# Altium PCB PCB1.PcbDoc (part 1 of 2)
Units mm, origin at the board's own origin, x right, y up, seen from the top; angles counter-clockwise.
Board outline 100.25 x 60.33 mm, 2 copper layers (Top Layer, Bottom Layer); 73 components, 128 nets, 417 pads, 41 vias.
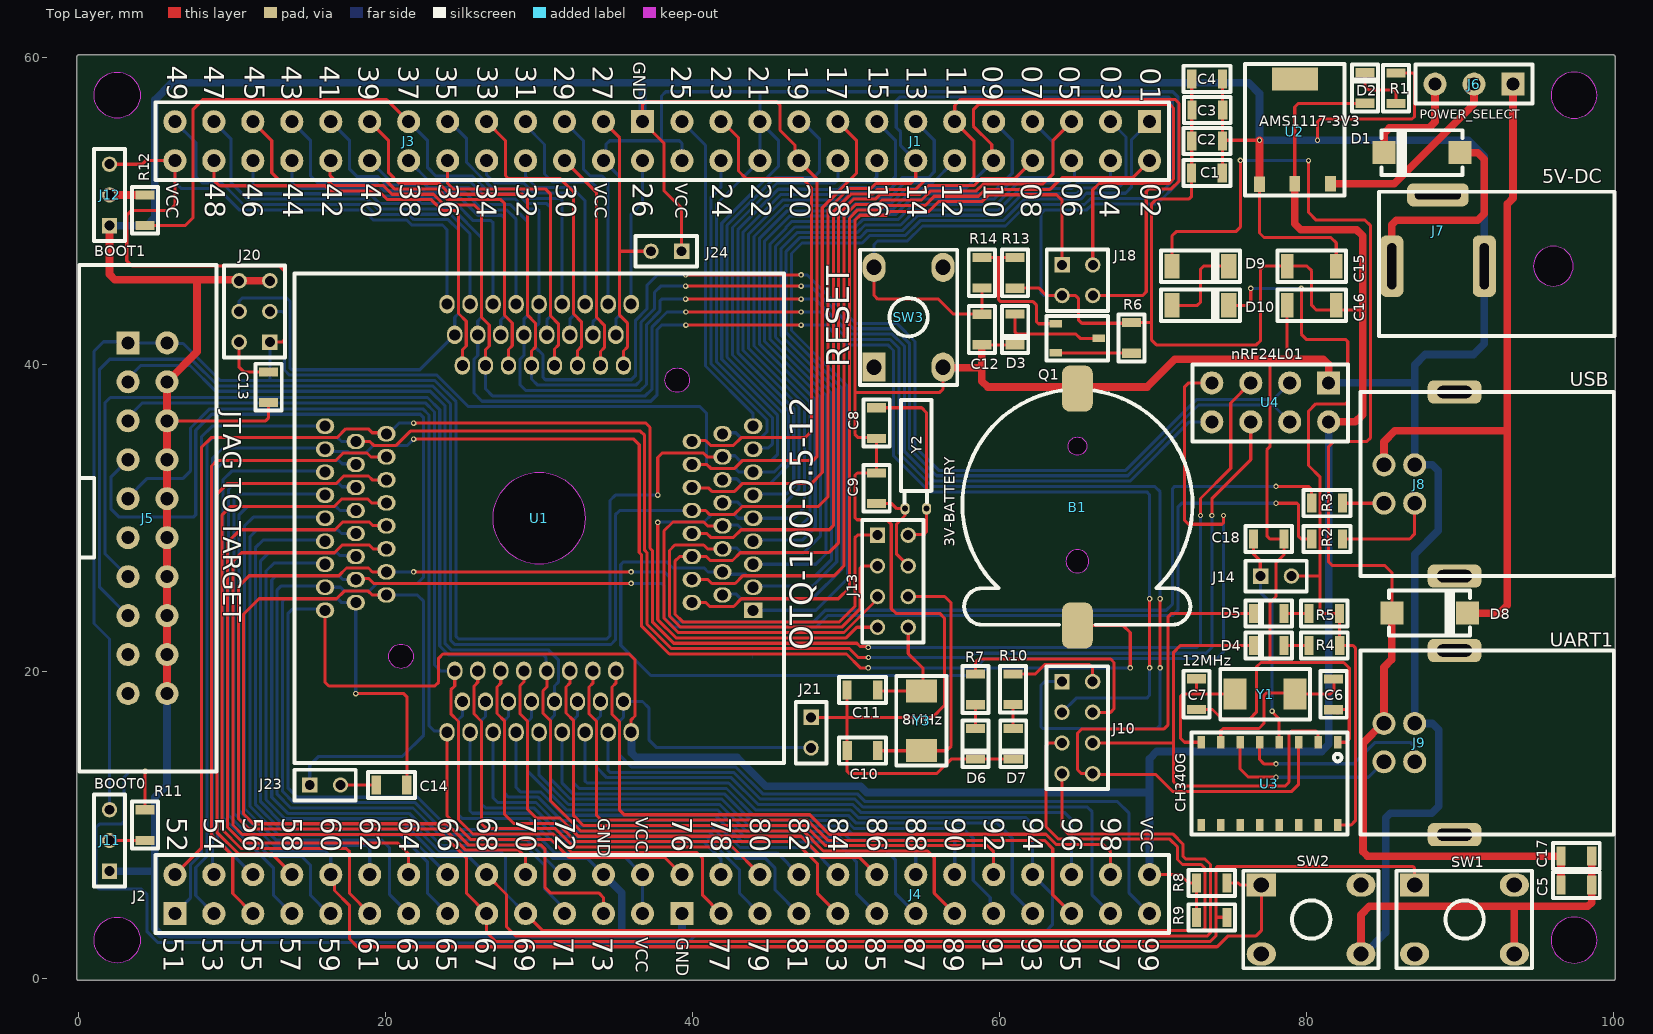
[diagram p0: Top Layer view]
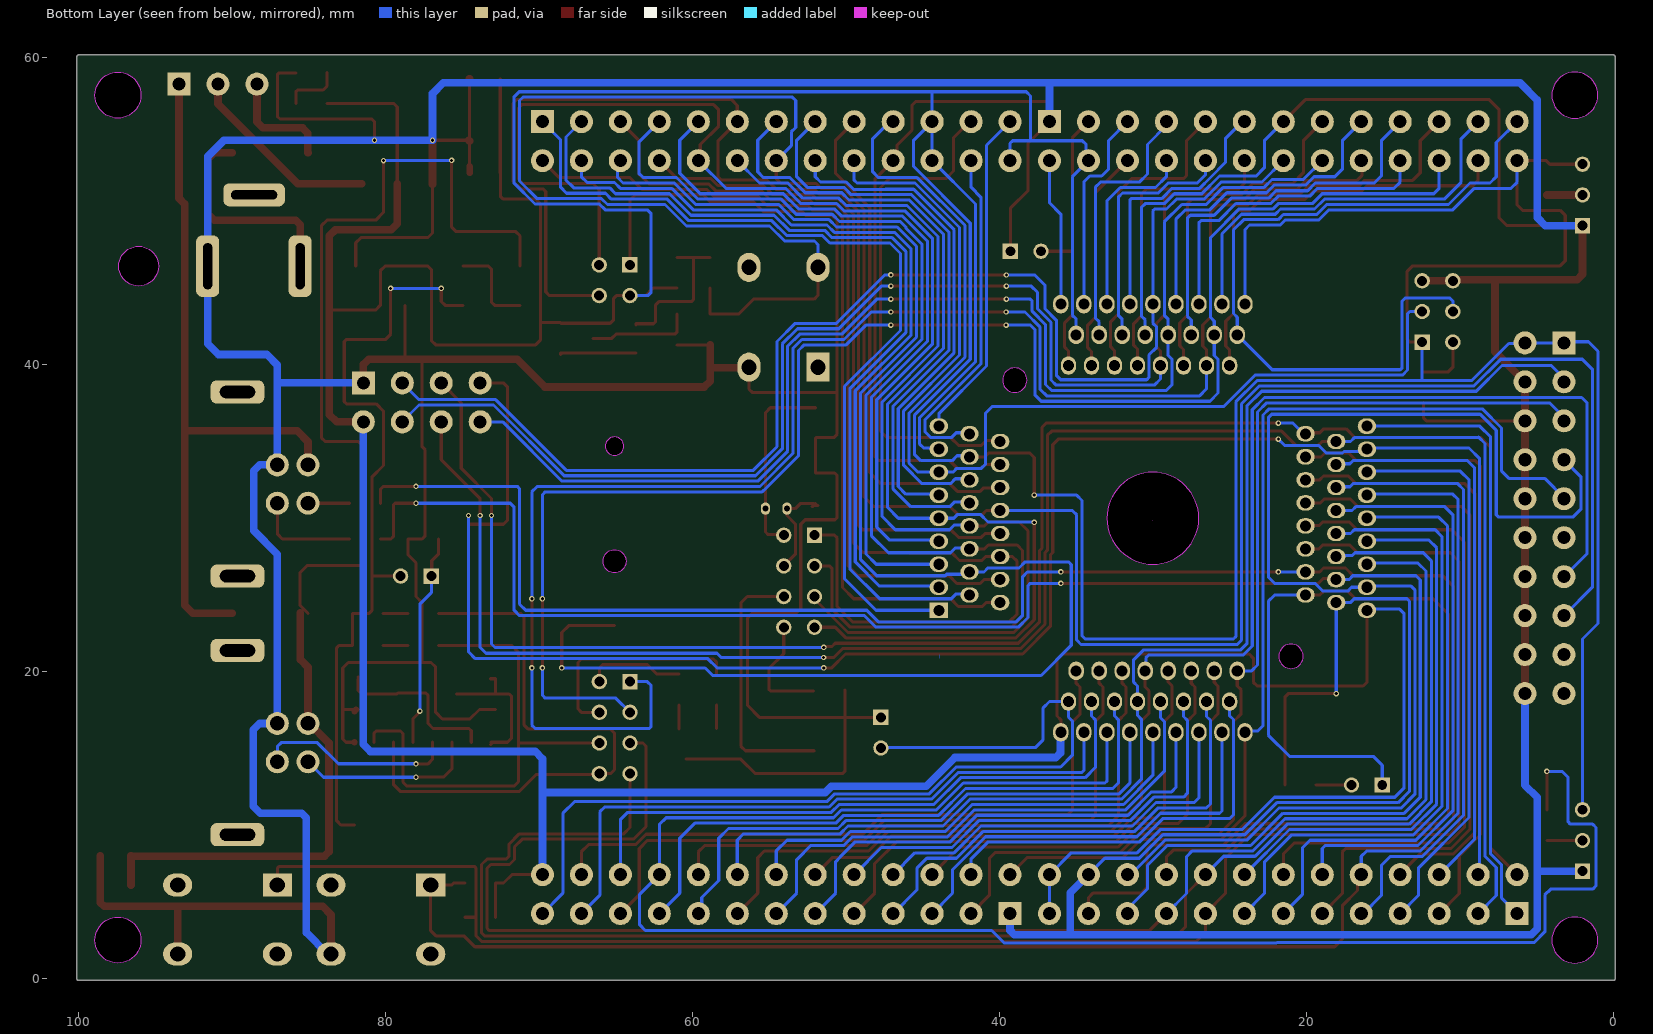
[diagram p1: Bottom Layer view, seen from below]

## Layer stack, top to bottom
Top Solder: solder mask 0.0102, Solder Resist, Dk 3.5
Top Layer: signal copper 0.0356
Dielectric 1: dielectric 0.32, FR-4, Dk 4.8
Bottom Layer: signal copper 0.0356
Bottom Solder: solder mask 0.0102, Solder Resist, Dk 3.5

## Board outline
0,-0.127 cw(c0,0) -0.127,0 -0.127,60 cw(c0,60) -0.122,60.036 -0.122,60.035 cw(c0,60.071) 0,60.198 100,60.198 cw(c100,60.071) 100.127,60.071 100.127,0.071 cw(c100,0.071) 100.122,0.036 100.122,0.035 cw(c100,0) 100.127,0 cw(c100,0) 100,-0.127
cut-out: 95.949,57.571 ccw(c97.449,57.571) 97.449,56.071 ccw(c97.449,57.571) 98.949,57.571 ccw(c97.449,57.571) 97.449,59.071 ccw(c97.449,57.571)
cut-out: 2.5,56.071 cw(c2.5,57.571) 1,57.571 cw(c2.5,57.571) 2.5,59.071 cw(c2.5,57.571) 4,57.571 cw(c2.5,57.571)
cut-out: 2.5,1 cw(c2.5,2.5) 1,2.5 cw(c2.5,2.5) 2.5,4 cw(c2.5,2.5) 4,2.5 cw(c2.5,2.5)
cut-out: 95.949,2.5 ccw(c97.449,2.5) 97.449,1 ccw(c97.449,2.5) 98.949,2.5 ccw(c97.449,2.5) 97.449,4 ccw(c97.449,2.5)
cut-out: 65.583,27.784
cut-out: 2.207,59.042

## Design rules (kind name [scope] priority, off if disabled: settings)
Clearance [All] p1: gap=0.15 ignorepadtopadclearanceinfootprint=FALSE
PolygonConnect [All] p1: connectstyle=Relief reliefconductorwidth=0.254 reliefentries=4 polygonreliefangle="90 Angle" airgapwidth=0.254
RoutingVias [All] p1: holewidth=0.2 width=0.35 viastyle="Through Hole" minholewidth=0.2 minwidth=0.35 maxholewidth=0.2 maxwidth=0.35
SolderMaskExpansion [All] p1: expansion=0.102
Width [All] p1: maxlimit=0.5 minlimit=0.2 preferedwidth=0.2
30 further rules are at their usual default settings.

## Components (designator, comment, footprint, x,y, rotation, side; value= is the part's Value field where it differs from the comment)
B1 "3V-BATTERY" CR1220 65.084,30.896 r0 top
C1 "103" C0805 73.525,52.5 r180 top
C2 "103" C0805 73.533,54.576 r180 top
C3 "103" C0805 73.549,56.608 r180 top
C4 "103" C0805 73.533,58.64 r180 top
C5 "103" C0805 97.597,6.1 r0 top
C6 "22pF" C0805 81.788,18.52 r90 top
C7 "22pF" C0805 72.84,18.536 r90 top
C8 "22pF" C0805 52,36.2 r270 top
C9 "22pF" C0805 52,31.95 r90 top
C10 "22pF" C0805 51.075,14.85 r180 top
C11 "22pF" C0805 51.075,18.8 r180 top
C12 "103" C0805 58.85,42.3 r270 top
C13 "102pF" C0805 12.376,38.539 r270 top
C14 "102pF" C0805 20.379,12.609 r180 top
C15 "104" C1206 80.35,46.425 r180 top
C16 "104" C1206 80.35,43.875 r180 top
C17 "103" C0805 97.597,7.992 r0 top
C18 "100nF" C0805 77.55,28.65 r180 top
D1 "1N4007" DO-214AC(SMA) 85.575,53.825 r0 top
D2 "LED0805" L0805RED 84.455,58.039 r90 top
D3 "LED0805" L0805RED 60.401,42.301 r270 top
D4 "LED0805" L0805RED 77.55,22.325 r180 top
D5 "LED0805" L0805RED 77.55,24.425 r180 top
D6 "LED0805" L0805RED 57.81,15.3 r270 top
D7 "LED0805" L0805RED 60.275,15.3 r270 top
D8 "1N4007" DO-214AC(SMA) 90.005,23.825 r180 top
D9 "1N4148" SOD-80 73.1,46.425 r0 top
D10 "1N4148" SOD-80 73.1,43.875 r0 top
J1 "Header 13x2 TH Pitch 2.54mm" "Header 13x2 TH Pitch 2.54mm" 54.546,54.571 r270 top
J2 "Header 13x2 TH Pitch 2.54mm" "Header 13x2 TH Pitch 2.54mm" 21.5,5.5 r90 top
J3 "Header 13x2 TH Pitch 2.54mm" "Header 13x2 TH Pitch 2.54mm" 21.5,54.571 r270 top
J4 "Header 13x2 TH Pitch 2.54mm" "Header 13x2 TH Pitch 2.54mm" 54.546,5.5 r90 top
J5 "JTAG TO TARGET" IDC_CONNECTOR_20_2.54 4.48,30 r0 top
J6 "POWER_SELECT" "Header 3x1 TH Pitch 2.54mm" 90.932,58.293 r180 top
J7 "5V-DC" DC_JACK_161-0721 91.6,46.425 r90 top
J8 "USB" USB-B-TYPE 86.062,32.227 r180 top
J9 "UART1" USB-B-TYPE 86.062,15.375 r180 top
J10 "PIN_HEADER_4X2_PITCH_2MM_HEIGTH_5MM" PIN_HEADER_4X2_PITCH_2MM_HEIGTH_5MM 65.075,16.35 r0 top
J11 "BOOT0" PIN_HEADER_1X3_PITCH_2MM_HEIGTH_5MM 2,9 r90 top
J12 "BOOT1" PIN_HEADER_1X3_PITCH_2MM_HEIGTH_5MM 2,51.071 r90 top
J13 "PIN_HEADER_4X2_PITCH_2MM_HEIGTH_5MM" PIN_HEADER_4X2_PITCH_2MM_HEIGTH_5MM 53.056,25.892 r0 top
J14 "3V3-TTL/5V-TTL" PIN_HEADER_2X1_PITCH_2MM_HEIGTH_5MM 78.026,26.227 r0 top
J18 "PIN_HEADER_2X2_PITCH_2MM_HEIGTH_5MM" PIN_HEADER_2X2_PITCH_2MM_HEIGTH_5MM 65.084,46.509 r0 top
J20 "PIN_HEADER_3X2_PITCH_2MM_HEIGTH_5MM" PIN_HEADER_3X2_PITCH_2MM_HEIGTH_5MM 11.45,43.475 r180 top
J21 "PIN_HEADER_1X2_PITCH_2MM_HEIGTH_5MM" PIN_HEADER_1X2_PITCH_2MM_HEIGTH_5MM 47.725,16.024 r270 top
J23 "PIN_HEADER_1X2_PITCH_2MM_HEIGTH_5MM" PIN_HEADER_1X2_PITCH_2MM_HEIGTH_5MM 16.05,12.609 r0 top
J24 "PIN_HEADER_1X2_PITCH_2MM_HEIGTH_5MM" PIN_HEADER_1X2_PITCH_2MM_HEIGTH_5MM 38.291,47.4 r180 top
Q1 "2N3906" SOT23-3 65.075,41.725 r270 top
R1 "120" R0805 85.852,59.023 r90 top
R2 "22" R0805 80.35,28.65 r180 top
R3 "22" R0805 80.35,30.977 r180 top
R4 "1K5" R0805 80.175,21.7 r180 top
R5 "1K5" R0805 80.169,23.8 r180 top
R6 "120" R0805 68.6,40.75 r270 top
R7 "120" R0805 58.446,19.841 r90 top
R8 "10k" R0805 72.84,6.223 r180 top
R9 "10k" R0805 72.84,3.992 r180 top
R10 "120" R0805 60.875,19.85 r90 top
R11 "1k" R0805 4.318,9 r270 top
R12 "1k" R0805 4.318,51.071 r90 top
R13 "8K2" R0805 61.015,46.99 r90 top
R14 "1K" R0805 58.85,47 r90 top
SW1 "Button Hole" BUTTON_HOLE_5.0mm 90.312,3.846 r90 top
SW2 "Button Hole" BUTTON_HOLE_5.0mm 80.316,3.846 r90 top
SW3 "RESET" BUTTON_HOLE_5.0mm 54.075,43.1 r180 top
U1 "OTQ-100-0.5-12" "ENPLAS OTQ-100-0.5-12" 30,30 r0 top
U2 "AMS1117-3V3" SOT223-3 79.248,55.245 r0 top
U3 "CH340G" SOP16_1.27_3.8 77.595,12.7 r270 top
U4 "nRF24L01" "Header 4x2 TH Pitch 2.54mm" 77.65,37.55 r270 top
Y1 "12MHz" SMD5032 79.267,18.542 r0 top
Y2 "32.768KHz" DT-26 54.55,30.475 r270 top
Y3 "8MHz" SMD5032 54.926,14.846 r270 top

## Footprints (in the part's own frame and the unit in brackets; to place one, negate y for a bottom-side part, rotate by r counter-clockwise, add the part's x,y. Pads: shape width x height; smd on the part's side, far side on the other; paste and mask are expansions set on the pad)
BUTTON_HOLE_5.0mm [mm]
  rect 1.5x1.9 hole 1: 1(2.25,3.25)
  oval 1.5x1.9 hole 1: 2(2.25,-3.25) 3(-2.25,3.25) 4(-2.25,-3.25)
  silkscreen extent -3.18,-4.4 3.18,4.43, body extent -3,-3.86 3,3.86, height 5
C0805 [mm]
  rect 0.6x1.24 smd: 1(-1,0) 2(1,0)
  silkscreen extent -1.52,-0.85 1.53,0.85, body extent -1,-0.6 1,0.6, height 1
C1206 [mm]
  rect 0.8x1.6 smd: 1(-1.6,0) 2(1.6,0)
  silkscreen extent -2.23,-1.02 2.22,1.02, body extent -1.6,-0.8 1.6,0.8, height 0.75
CR1220 [mm]
  rrect50% 2x3 smd: 1(0,-7.9) 2(0,7.55)
  Keep-Out Layer board cut-out: -0.75,-3.7 -0.693,-3.987 -0.53,-4.23 -0.287,-4.393 0,-4.45 0,-4.45 0.287,-4.393 0.53,-4.23 0.693,-3.987 0.75,-3.7 0.75,-3.7 0.693,-3.413 0.53,-3.17 0.287,-3.007 0,-2.95 0,-2.95 -0.287,-3.007 -0.53,-3.17 -0.693,-3.413 -0.75,-3.7
  Keep-Out Layer board cut-out: 0,3.2 -0.23,3.246 -0.424,3.376 -0.554,3.57 -0.6,3.8 -0.6,3.8 -0.554,4.03 -0.424,4.224 -0.23,4.354 0,4.4 0,4.4 0.23,4.354 0.424,4.224 0.554,4.03 0.6,3.8 0.6,3.8 0.554,3.57 0.424,3.376 0.23,3.246 0,3.2
  silkscreen extent -7.5,-7.84 7.5,7.43, body extent -7.5,-9.42 7.5,9.07, height 4.04
DC_JACK_161-0721 [mm]
  rrect50% 4x1.5 hole 0.6 slot 3 at 0 deg: 1(0,6.025) 2(0,0)
  rrect50% 1.5x4 hole 0.6 slot 3 at 90 deg: 3(4.65,3.025)
  Keep-Out Layer board cut-out: -1.3,-4.5 -1.201,-4.997 -0.919,-5.419 -0.497,-5.701 0,-5.8 0,-5.8 0.497,-5.701 0.919,-5.419 1.201,-4.997 1.3,-4.5 1.3,-4.5 1.201,-4.003 0.919,-3.581 0.497,-3.299 0,-3.2 0,-3.2 -0.497,-3.299 -0.919,-3.581 -1.201,-4.003 -1.3,-4.5
  silkscreen extent -4.55,-8.48 4.85,6.85, body extent -4.53,-8.5 4.83,6.8, height 11.5
DO-214AC(SMA) [mm]
  rect 1.5x1.5 smd: 1(4.43,0) 2(-0.5,0)
  silkscreen extent -0.67,-1.5 4.61,1.5, body extent -0.67,-1.46 4.61,1.46, height 2.41
DT-26 [mm]
  oval 0.8x0.6 hole 0.4: 1(-0.15,0.7) 2(-0.15,-0.7)
  silkscreen extent -7.24,-0.98 -0.54,1.02, body extent -7.14,-1 0,1, height 2
"ENPLAS OTQ-100-0.5-12" [mm]
  rect 1.2x1 hole 0.72: 1(13.95,-6)
  oval 1.2x1 hole 0.72: 2(9.95,-5.5) 3(11.95,-5) 4(13.95,-4.5) 5(9.95,-4) 6(11.95,-3.5) 7(13.95,-3) 8(9.95,-2.5) 9(11.95,-2) 10(13.95,-1.5) 11(9.95,-1) 12(11.95,-0.5) 13(13.95,0) 14(9.95,0.5) 15(11.95,1) 16(13.95,1.5) 17(9.95,2) 18(11.95,2.5) 19(13.95,3) 20(9.95,3.5) 21(11.95,4) 22(13.95,4.5) 23(9.95,5) 24(11.95,5.5) 25(13.95,6) 51(-13.95,6) 52(-9.95,5.5) 53(-11.95,5) 54(-13.95,4.5) 55(-9.95,4) 56(-11.95,3.5) 57(-13.95,3) 58(-9.95,2.5) 59(-11.95,2) 60(-13.95,1.5) 61(-9.95,1) 62(-11.95,0.5) 63(-13.95,0) 64(-9.95,-0.5) 65(-11.95,-1) 66(-13.95,-1.5) 67(-9.95,-2) 68(-11.95,-2.5) 69(-13.95,-3) 70(-9.95,-3.5) 71(-11.95,-4) 72(-13.95,-4.5) 73(-9.95,-5) 74(-11.95,-5.5) 75(-13.95,-6)
  oval 1x1.2 hole 0.72: 26(6,13.95) 27(5.5,9.95) 28(5,11.95) 29(4.5,13.95) 30(4,9.95) 31(3.5,11.95) 32(3,13.95) 33(2.5,9.95) 34(2,11.95) 35(1.5,13.95) 36(1,9.95) 37(0.5,11.95) 38(0,13.95) 39(-0.5,9.95) 40(-1,11.95) 41(-1.5,13.95) 42(-2,9.95) 43(-2.5,11.95) 44(-3,13.95) 45(-3.5,9.95) 46(-4,11.95) 47(-4.5,13.95) 48(-5,9.95) 49(-5.5,11.95) 50(-6,13.95) 76(-6,-13.95) 77(-5.5,-9.95) 78(-5,-11.95) 79(-4.5,-13.95) 80(-4,-9.95) 81(-3.5,-11.95) 82(-3,-13.95) 83(-2.5,-9.95) 84(-2,-11.95) 85(-1.5,-13.95) 86(-1,-9.95) 87(-0.5,-11.95) 88(0,-13.95) 89(0.5,-9.95) 90(1,-11.95) 91(1.5,-13.95) 92(2,-9.95) 93(2.5,-11.95) 94(3,-13.95) 95(3.5,-9.95) 96(4,-11.95) 97(4.5,-13.95) 98(5,-9.95) 99(5.5,-11.95) 100(6,-13.95)
  Keep-Out Layer board cut-out: -9,-9.8 -9.306,-9.739 -9.566,-9.566 -9.739,-9.306 -9.8,-9 -9.8,-9 -9.739,-8.694 -9.566,-8.434 -9.306,-8.261 -9,-8.2 -9,-8.2 -8.694,-8.261 -8.434,-8.434 -8.261,-8.694 -8.2,-9 -8.2,-9 -8.261,-9.306 -8.434,-9.566 -8.694,-9.739 -9,-9.8
  Keep-Out Layer board cut-out: 9,8.2 8.694,8.261 8.434,8.434 8.261,8.694 8.2,9 8.2,9 8.261,9.306 8.434,9.566 8.694,9.739 9,9.8 9,9.8 9.306,9.739 9.566,9.566 9.739,9.306 9.8,9 9.8,9 9.739,8.694 9.566,8.434 9.306,8.261 9,8.2
  Keep-Out Layer board cut-out: 0,-3 -1.148,-2.772 -2.121,-2.121 -2.772,-1.148 -3,0 -3,0 -2.772,1.148 -2.121,2.121 -1.148,2.772 0,3 0,3 1.148,2.772 2.121,2.121 2.772,1.148 3,0 3,0 2.772,-1.148 2.121,-2.121 1.148,-2.772 0,-3
  Keep-Out Layer board cut-out: 0.027,-0.163
  silkscreen extent -15.95,-15.95 15.95,15.95
"Header 3x1 TH Pitch 2.54mm" [mm]
  rect 1.5x1.5 hole 0.85: 1(-2.54,0)
  round 1.5 hole 0.85: 2(0,0) 3(2.54,0)
  body extent -3.81,-1.27 3.81,1.27, height 8.89
"Header 4x2 TH Pitch 2.54mm" [mm]
  rect 1.5x1.5 hole 0.85: 1(-1.27,3.81)
  round 1.5 hole 0.85: 2(1.27,3.81) 3(-1.27,1.27) 4(1.27,1.27) 5(-1.27,-1.27) 6(1.27,-1.27) 7(-1.27,-3.81) 8(1.27,-3.81)
  body extent -2.54,-5.08 2.54,5.08, height 8.89
"Header 13x2 TH Pitch 2.54mm" [mm]
  rect 1.5x1.5 hole 0.85: 1(-1.27,15.24)
  round 1.5 hole 0.85: 2(1.27,15.24) 3(-1.27,12.7) 4(1.27,12.7) 5(-1.27,10.16) 6(1.27,10.16) 7(-1.27,7.62) 8(1.27,7.62) 9(-1.27,5.08) 10(1.27,5.08) 11(-1.27,2.54) 12(1.27,2.54) 13(-1.27,0) 14(1.27,0) 15(-1.27,-2.54) 16(1.27,-2.54) 17(-1.27,-5.08) 18(1.27,-5.08) 19(-1.27,-7.62) 20(1.27,-7.62) 21(-1.27,-10.16) 22(1.27,-10.16) 23(-1.27,-12.7) 24(1.27,-12.7) 25(-1.27,-15.24) 26(1.27,-15.24)
  body extent -2.54,-16.51 2.54,16.51, height 8.89
IDC_CONNECTOR_20_2.54 [mm]
  rect 1.5x1.5 hole 0.85: 1(-1.27,11.43)
  round 1.5 hole 0.85: 2(1.27,11.43) 3(-1.27,8.89) 4(1.27,8.89) 5(-1.27,6.35) 6(1.27,6.35) 7(-1.27,3.81) 8(1.27,3.81) 9(-1.27,1.27) 10(1.27,1.27) 11(-1.27,-1.27) 12(1.27,-1.27) 13(-1.27,-3.81) 14(1.27,-3.81) 15(-1.27,-6.35) 16(1.27,-6.35) 17(-1.27,-8.89) 18(1.27,-8.89) 19(-1.27,-11.43) 20(1.27,-11.43)
  silkscreen extent -4.45,-16.5 4.5,16.5, body extent -4.47,-16.6 4.42,16.6, height 9
L0805RED [mm]
  rect 0.6x1.24 smd: 1(-1,0.625) 2(1,0.625)
  silkscreen extent -1.53,-0.23 1.52,1.47, body extent -1,0 1,1.25, height 1.1
PIN_HEADER_1X2_PITCH_2MM_HEIGTH_5MM [mm]
  rect 1x1 hole 0.65: 1(-1,0)
  round 1 hole 0.65: 2(1,0)
  body extent -2,-1 2,1, height 6.01
PIN_HEADER_1X3_PITCH_2MM_HEIGTH_5MM [mm]
  rect 1x1 hole 0.65: 1(-2,0)
  round 1 hole 0.65: 2(0,0) 3(2,0)
  body extent -3,-1 3,1, height 6.01
PIN_HEADER_2X1_PITCH_2MM_HEIGTH_5MM [mm]
  rect 1x1 hole 0.65: 1(-1,0)
  round 1 hole 0.65: 2(1,0)
  silkscreen extent -2,-1 2,1, body extent -2,-1 2,1, height 6.01
PIN_HEADER_2X2_PITCH_2MM_HEIGTH_5MM [mm]
  rect 1x1 hole 0.65: 1(-1,0)
  round 1 hole 0.65: 2(1,0) 3(-1,-2) 4(1,-2)
  silkscreen extent -2,-3 2,1, body extent -2,-3 2,1, height 6.01
PIN_HEADER_3X2_PITCH_2MM_HEIGTH_5MM [mm]
  rect 1x1 hole 0.65: 1(-1,2)
  round 1 hole 0.65: 2(1,2) 3(-1,0) 4(1,0) 5(-1,-2) 6(1,-2)
  silkscreen extent -2,-3 2,3, body extent -2,-3 2,3, height 6.01
PIN_HEADER_4X2_PITCH_2MM_HEIGTH_5MM [mm]
  rect 1x1 hole 0.65: 1(-1,3)
  round 1 hole 0.65: 2(1,3) 3(-1,1) 4(1,1) 5(-1,-1) 6(1,-1) 7(-1,-3) 8(1,-3)
  silkscreen extent -2,-4 2,4, body extent -2,-4 2,4, height 6.01
R0805 [mm]
  rect 0.6x1.24 smd: 1(-2,0) 2(0,0)
  silkscreen extent -2.52,-0.85 0.53,0.85, body extent -2,-0.62 0,0.62, height 0.45
SMD5032 [mm]
  rect 1.5x2 smd: 1(-3.9,0) 2(0,0)
  silkscreen extent -4.87,-1.65 0.97,1.63, body extent -4.45,-1.6 0.55,1.6, height 1.2
SOD-80 [mm]
  rect 1x1.6 smd: 1(-1.85,0) 2(1.85,0)
  silkscreen extent -2.58,-1.02 2.58,1.02, body extent -1.82,-0.8 1.88,0.8, height 1.6
SOP16_1.27_3.8 [mm]
  rect 0.8x0.5 smd: 1(-2.7,4.445) 2(-2.7,3.175) 3(-2.7,1.905) 4(-2.7,0.635) 5(-2.7,-0.635) 6(-2.7,-1.905) 7(-2.7,-3.175) 8(-2.7,-4.445) 9(2.7,-4.445) 10(2.7,-3.175) 11(2.7,-1.905) 12(2.7,-0.635) 13(2.7,0.635) 14(2.7,1.905) 15(2.7,3.175) 16(2.7,4.445)
  silkscreen extent -3.32,-5.08 3.32,5.08, body extent -3.12,-4.99 3.12,4.99, height 1.59
SOT23-3 [mm]
  rect 0.5x0.8 smd: 1(-0.95,-1.4) 2(0.95,-1.4) 3(0,1.4)
  silkscreen extent -1.45,-2 1.45,2, body extent -1.45,-1.4 1.45,1.4, height 1.3
SOT223-3 [mm]
  rect 0.7x1 smd: 1(-2.3,-3.475) 2(0,-3.45) 3(2.325,-3.45)
  rect 3x1.5 smd: 4(0,3.375)
  silkscreen extent -3.25,-4.2 3.25,4.35, body extent -3.25,-3.5 3.25,3.5, height 1.7
USB-B-TYPE [mm]
  round 1.5 hole 0.95: 1(1,-1.25) 2(1,1.25) 3(-1,1.25) 4(-1,-1.25)
  rrect50% 3.5x1.5 hole 0.8 slot 2.3 at 0 deg: S1(-3.6,6) S2(-3.6,-6)
  silkscreen extent -13.98,-6 2.52,6, body extent -13.97,-7.42 2.53,7.37, height 11

## Part data
B1: library part Batery
C1 C2 C3 C4 C5 C6 C7 C8 C9 C10 C11 C12 C17: library part C0805
C13 C14 C18: library part Capacitors(SMD)
C15 C16: library part C1206
D1 D8: library part "Diode 1N4007-DO214AC(SMA)"
D9 D10: library part "1N4148 (SOD-80)"
J5: library part IDC_2.54_10x2
J6: library part "Header 3x1 TH Pitch 2.54mm"
J7: library part JackDC
J8 J9: library part "USB B Type"
J11 J12: library part PIN_HEADER_1X3_PITCH_2MM_HEIGTH_5MM
J14: library part PIN_HEADER_2X1_PITCH_2MM_HEIGTH_5MM
R1 R2 R3 R4 R5 R7 R10: library part R0805
R6 R8 R9 R11 R12 R13 R14: library part "Resistor SMD"
SW3: library part "Button Hole"
U1: library part "ENPLAS OTQ-100-0.5-12"
U2: library part AMS1117(SOT-223)
U4: library part "Header 4x2 TH Pitch 2.54mm"
Y1 Y3: library part Crystal
Y2: library part "Crystal 32.768KHz"

## Via types
v1: diameter 0.35, hole 0.2, Top Layer to Bottom Layer, 41 vias

## Nets (pads, with @x,y where several pads share a name; then routed paths per layer and width w, separated by ;. In a path a pad name is that pad's centre, name@x,y a point inside that pad or via, vN(x,y) a via of type N, cw(c..) or ccw(c..) an arc to the next point about the centre after c; other vN are vias at no path point)
NetC5_1: C5.1 C17.1 D8.1 D9.1 J9.1 | length 86.1
  Top Layer w0.2: D9.1@71.25,46.425 71.25,48.4 71.55,48.7 75.433,48.7 75.7,48.967 v1(75.7,53.325) ; v1(80.142,53.301) 80.142,49.933 80.65,49.425 83.83,49.425 84.17,49.085 84.17,35.216 83.948,34.994 81.779,34.994 81.46,34.675 81.46,27.152 81.704,26.909 85.13,26.909 85.575,26.464 85.575,24.313 D8.1@85.062,23.8
  Top Layer w0.5: D8.1@85.575,23.825 85.575,20.796 85.062,20.283 J9.1@85.062,16.625 84.975,16.625 83.7,15.35 83.7,8.268 83.993,7.975 96.579,7.975 C17.1@96.597,7.993 C5.1@96.597,6.1
  Bottom Layer w0.2: v1(75.7,53.325) v1@80.142,53.325
NetC6_2: C6.2 U3.7 Y1.2 | length 11.1
  Top Layer w0.2: U3.7@74.42,15.4 74.422,15.402 74.422,16.147 74.575,16.3 76.918,16.3 77.235,16.617 77.235,18.456 77.379,18.6 79.209,18.6 Y1.2@79.267,18.542 81.573,18.542 81.807,18.776 81.807,19.501 C6.2@81.788,19.52 ; C6.2@81.788,19.653 C6.2@81.807,19.653
NetC7_2: C7.2 U3.8 Y1.1 | length 9.4
  Top Layer w0.2: U3.8@73.15,15.4 U3.8@73,15.4 ; U3.8@73.152,15.248 U3.8@73,15.4 ; C7.2@73.16,19.536 C7.2@72.84,19.536 72.84,18.542 ; Y1.1@75.367,18.542 72.84,18.542 ; 72.84,18.542 71.95,18.542 71.787,18.379 71.787,15.677 72.065,15.4 U3.8@73,15.4
NetC8_1: C8.1 J13.2 Y2.1 | length 12.6
  Top Layer w0.2: C8.1@52,37.2 54.93,37.2 55.25,36.88 Y2.1@55.25,30.625 55.25,29.1 55.077,28.927 54.091,28.927 J13.2@54.056,28.892 ; J13.2@53.672,28.775 J13.2@53.789,28.892
NetC9_1: C9.1 J13.4 Y2.2 | length 6.9
  Top Layer w0.2: C9.1@51.827,30.825 C9.1@52.125,30.825 ; C9.1@51.961,30.918 C9.1@52.032,30.918 ; C9.1@52,30.95 C9.1@52.032,30.918 ; C9.1@52.075,30.95 52.989,30.95 53.314,30.625 Y2.2@53.85,30.625 53.85,30.178 53.3,29.628 53.3,27.648 J13.4@54.056,26.892 ; C9.1@52.125,30.918 C9.1@52.032,30.918 ; C9.1@52.2,30.75 C9.1@52.125,30.825 ; C9.1@52.032,30.918 C9.1@52.125,30.825
NetC10_1: C10.1 J13.6 Y3.2 | length 17.2
  Top Layer w0.2: C10.1@52.075,14.85 52.078,14.846 Y3.2@54.926,14.846 56.55,14.846 56.852,15.148 56.852,24.473 56.433,24.892 J13.6@54.056,24.892
NetC11_1: C11.1 J13.8 Y3.1 | length 7.4
  Top Layer w0.2: C11.1@52.128,18.746 Y3.1@54.926,18.746 55.028,18.849 55.028,20.203 54.056,21.176 J13.8@54.056,22.892
NetC13_1: C13.1 J20.2 | length 3.7
  Top Layer w0.2: J20.2@10.45,41.475 10.45,39.832 10.743,39.539 C13.1@12.376,39.539
NetC14_2: C14.2 J23.2 | length 2.3
  Top Layer w0.2: J23.2@17.05,12.609 C14.2@19.378,12.609
NetC18_2: C18.2 J14.1 U3.4 | length 13.9
  Top Layer w0.2: C18.2@76.55,28.65 76.55,27.68 76.998,27.232 76.998,26.255 J14.1@77.026,26.227 ; v1(77.775,17.425) 77.775,17.37 78.23,16.915 U3.4@78.23,15.4
  Bottom Layer w0.2: J14.1@77.026,26.227 77.026,25.149 77.775,24.4 v1(77.775,17.425)
NetD1_1: D1.1 J7.1 | length 14.4
  Top Layer w0.5: J7.1@85.575,46.425 85.575,49.132 85.868,49.425 91.175,49.425 91.6,49.85 91.6,53.4 91.175,53.825 D1.1@90.005,53.825
NetD1_2: D1.2 J6.3 | length 7.4
  Top Layer w0.5: D1.2@85.062,53.825 D1.2@85.075,53.825 85.075,55.1 85.425,55.45 88.001,55.45 88.392,55.841 J6.3@88.392,58.293
NetD2_2: D2.2 R1.1 | length 3.8
  Top Layer w0.2: D2.2@83.83,59.039 83.83,58.156 84.074,57.912 85.735,57.912 85.852,57.795 R1.1@85.852,57.023
NetD3_1: D3.1 Q1.3 | length 6.8
  Top Layer w0.2: D3.1@61.026,43.301 61.026,42.121 61.155,41.993 64.995,41.993 65.263,41.725 Q1.3@66.475,41.725
NetD4_1: D4.1 R4.2 | length 1.6
  Top Layer w0.2: D4.1@78.55,21.7 R4.2@80.175,21.7
NetD4_2: D4.2 J10.6 U3.2 | length 32.6
  Top Layer w0.2: J10.6@66.075,15.35 71.304,15.35 71.347,15.307 ; D4.2@76.55,21.7 71.779,21.7 71.354,21.274 71.354,20.803 71.347,20.796 71.347,15.307 ; U3.2@80.77,15.4 80.77,15.98 80.621,16.129 79.038,16.129 78.867,15.958 78.867,12.8 78.608,12.541 71.634,12.541 71.347,12.828 71.347,15.307
NetD5_1: D5.1 R5.2 | length 1.6
  Top Layer w0.2: D5.1@78.55,23.8 R5.2@80.169,23.8
NetD5_2: D5.2 J10.8 U3.3 | length 39.1
  Top Layer w0.2: J10.8@66.075,13.307 70.174,13.307 71.29,12.191 76.198,12.191 76.206,12.183 79.025,12.183 79.5,12.658 U3.3@79.5,15.4 ; J10.8@66.075,13.35 65.35,13.35 65.084,13.616 65.084,15.987 65.346,16.25 70.705,16.25 70.997,16.542 70.997,23.579 71.218,23.8 D5.2@76.55,23.8
NetD6_1: D6.1 R7.1 | length 1.5
  Top Layer w0.2: D6.1@58.435,16.3 58.435,17.829 R7.1@58.446,17.841
NetD7_1: D7.1 R10.1 | length 1.5
  Top Layer w0.2: D7.1@60.885,16.275 60.885,17.804 R10.1@60.896,17.816
NetD8_2: D8.2 J6.1 J8.1 | length 47.3
  Top Layer w0.5: J8.1@85.062,33.477 85.062,34.994 85.768,35.7 93.1,35.7 ; D8.2@89.992,23.8 92.575,23.8 93.1,24.325 93.1,35.7 ; J6.1@93.472,58.293 93.472,50.847 93.1,50.475 93.1,35.7
NetD9_2: D9.2 D10.1 | length 6
  Top Layer w0.2: D10.1@71.25,43.875 71.255,43.87 72.895,43.87 73.1,44.075 73.1,46.225 73.3,46.425 D9.2@74.95,46.425
NetD10_2: D10.2 J14.2 R4.1 R5.1 U3.16 | length 50.9
  Top Layer w0.2: D10.2@74.95,43.875 76.125,43.875 76.38,44.13 v1(76.38,44.981) ; J14.2@79.026,26.227 80.9,26.227 ; v1(79.679,44.981) 79.679,41.993 80.031,41.641 82.57,41.641 82.7,41.512 82.7,37.6 82.558,37.458 80.625,37.458 80.142,36.975 80.142,33.433 80.9,32.675 80.9,26.227 ; U3.16@82.04,10 82.925,10 83.2,10.275 83.2,21.55 83.05,21.7 R4.1@82.175,21.7 82.169,21.706 R5.1@82.169,23.8 81.075,23.8 80.9,23.975 80.9,26.227
  Bottom Layer w0.2: v1(76.38,44.981) v1(79.679,44.981)
NetJ6_2: J6.2 U2.3 | length 12.8
  Top Layer w0.5: U2.3@81.573,51.795 85.72,51.795 90.932,57.007 J6.2@90.932,58.293
NetJ8_2: J8.2 R3.1 | length 2.7
  Top Layer w0.2: R3.1@82.35,30.977 J8.2@85.062,30.977
NetJ8_3: J8.3 R2.1 | length 6.9
  Top Layer w0.2: R2.1@82.35,28.65 86.733,28.65 87.062,28.979 J8.3@87.062,30.977
  Top Layer w0.5: J8.3@87.05,30.965 J8.3@87.062,30.977
NetJ9_2: J9.2 U3.6 | length 11.8
  Top Layer w0.2: U3.6@75.69,15.4 75.69,13.653 76.198,13.145 77.998,13.145 v1(78.023,13.12)
  Bottom Layer w0.2: v1(78.023,13.12) 84.057,13.12 J9.2@85.062,14.125
NetJ9_3: J9.3 U3.5 | length 13.1
  Top Layer w0.2: U3.5@76.96,15.4 76.96,14.27 77.235,13.995 v1(78.023,13.995)
  Bottom Layer w0.2: v1(78.023,13.995) 78.026,13.998 83.075,13.998 84.452,15.375 86.806,15.375 87.062,15.119 J9.3@87.062,14.125 ; J9.3@86.935,14.086 J9.3@86.935,14.125
NetJ10_2: J10.2 R10.2 | length 6.7
  Top Layer w0.2: R10.2@60.875,19.85 62.342,19.85 62.97,20.478 65.834,20.478 66.075,20.237 J10.2@66.075,19.35 ; J10.2@66.407,19.121 J10.2@66.407,19.35
NetJ10_4: J10.4 R7.2 | length 14.5
  Top Layer w0.2: R7.2@58.446,19.841 58.446,20.637 58.638,20.828 67.246,20.828 67.471,20.602 67.471,17.576 67.246,17.35 J10.4@66.075,17.35
NetJ11_2: J11.2 R11.2 | length 2.3
  Top Layer w0.2: J11.2@2,9 R11.2@4.318,9
NetJ12_2: J12.2 R12.2 | length 2.3
  Top Layer w0.5: J12.2@2,51.071 R12.2@4.318,51.071
NetQ1_1: Q1.1 R13.2 R14.2 | length 9.9
  Top Layer w0.2: R14.2@58.85,47 58.86,46.99 59.938,46.99 ; R13.2@61.015,46.99 59.938,46.99 ; Q1.1@63.675,42.607 Q1.1@63.684,42.607 ; Q1.1@63.675,42.675 62.542,42.675 62.425,42.792 62.425,43.871 62.166,44.13 60.055,44.13 59.938,44.248 59.938,46.99
NetQ1_2: Q1.2 R6.2 | length 5
  Top Layer w0.2: Q1.2@63.675,40.775 68.575,40.775 R6.2@68.6,40.75 ; R6.2@68.564,40.707 R6.2@68.596,40.675
PIN01: J1.1 U1.1 | length 58.4
  Bottom Layer w0.2: U1.1@43.95,24 48.05,24 50.096,26.046 50.096,38.591 46.45,42.237 46.45,47.251 47.134,47.935 51.053,47.935 51.53,48.412 53.851,48.412 54.836,49.397 60.252,49.397 61.652,50.797 65.297,50.797 65.678,51.178 68.212,51.178 68.596,51.562 68.596,54.652 J1.1@69.786,55.841
PIN02: J1.2 U1.2 | length 56.2
  Top Layer w0.2: U1.2@40.064,24.386 U1.2@39.95,24.5 40.871,24.5 41.12,24.25 42.679,24.25 43.179,24.75 43.95,24.75 49.495,24.75 50.224,25.479 50.224,49.543 50.775,50.094 52.201,50.094 52.492,50.385 55.155,50.385 55.753,50.983 58.641,50.983 59.091,51.433 63.308,51.433 64.072,52.197 68.681,52.197 J1.2@69.786,53.301
PIN03: J1.3 U1.3 | length 59.3
  Bottom Layer w0.2: U1.3@41.95,25 42.021,25.071 42.816,25.071 43.137,24.75 47.8,24.75 49.746,26.696 49.746,38.446 46.1,42.092 46.1,47.396 46.989,48.285 50.908,48.285 51.385,48.762 53.706,48.762 54.691,49.747 60.107,49.747 61.507,51.147 65.024,51.147 65.405,51.528 67.749,51.528 68.246,52.025 68.246,54.841 J1.3@67.246,55.841
PIN04: J1.4 U1.4 | length 52.5
  Bottom Layer w0.2: U1.4@43.95,25.571 47.813,25.571 49.396,27.154 49.396,38.301 45.75,41.947 45.75,47.541 46.844,48.635 50.763,48.635 51.24,49.112 53.561,49.112 54.546,50.097 59.962,50.097 61.365,51.5 64.706,51.5 65.084,51.878 66.868,51.878 67.246,52.256 J1.4@67.246,53.301
PIN05: J1.5 U1.5 | length 52
  Top Layer w0.2: U1.5@39.95,26 41.01,26 41.26,25.75 42.779,25.75 43.279,26.25 44.361,26.25 49.231,26.25 49.874,26.892 49.874,49.688 50.63,50.444 52.056,50.444 52.347,50.735 54.919,50.735 55.517,51.333 58.496,51.333 58.946,51.783 62.832,51.783 63.5,52.451 63.5,54.635 J1.5@64.706,55.841
PIN06: B1.1 J1.6 U1.6 | length 104.5
  Top Layer w0.2: B1.1@65.084,22.996 68.079,22.996 68.525,22.55 v1(68.525,20.243)
  Bottom Layer w0.2: J1.6@64.706,53.301 64.897,53.11 64.897,52.214 64.533,51.85 61.193,51.85 59.817,50.474 59.817,50.447 54.374,50.447 53.389,49.462 51.095,49.462 50.618,48.985 46.67,48.985 45.4,47.715 45.4,41.802 49.046,38.156 49.046,27.299 47.997,26.25 46.179,26.25 43.539,26.25 43.442,26.347 42.103,26.347 U1.6@41.95,26.5 41.011,26.5 40.761,26.75 38.723,26.75 38.319,27.154 35.5,27.154 35.32,26.974 35.32,21.711 37.281,19.75 58.69,19.75 59.183,20.243 v1(68.525,20.243)
PIN07: J1.7 U1.7 | length 51
  Bottom Layer w0.2: U1.7@43.95,27 48.032,27 48.696,27.664 48.696,38.011 45.05,41.657 45.05,47.86 46.101,48.912 46.101,48.978 46.458,49.335 50.426,49.335 50.903,49.812 53.244,49.812 54.229,50.797 59.645,50.797 61.048,52.2 63.22,52.2 63.5,52.48 63.5,54.507 J1.7@62.166,55.841
PIN08: J1.8 J13.1 U1.8 | length 68.7
  Top Layer w0.2: J13.1@52.056,28.892 50.747,28.892 50.574,28.719 50.574,24.248 49.576,23.25 39.354,23.25 38.844,23.76 38.844,27.188 39.156,27.5 U1.8@39.95,27.5 40.898,27.5 41.148,27.25 42.6,27.25 43.1,27.75 45.9,27.75 45.91,27.76 48.873,27.76 49.524,28.411 49.524,49.833 50.485,50.794 51.911,50.794 52.202,51.085 54.774,51.085 55.372,51.683 58.351,51.683 58.801,52.133 60.997,52.133 J1.8@62.166,53.301
PIN09: J1.9 J13.3 U1.9 | length 74.6
  Top Layer w0.2: U1.9@41.95,28 40.973,28 40.723,28.25 38.849,28.25 38.494,27.895 38.494,23.615 39.209,22.9 49.721,22.9 50.924,24.103 50.924,26.738 51.079,26.892 J13.3@52.056,26.892
  Bottom Layer w0.2: U1.9@41.95,28.071 42.868,28.071 43.189,27.75 47.228,27.75 48.346,28.868 48.346,37.866 44.7,41.512 44.7,48.072 46.313,49.685 50.279,49.685 50.756,50.162 53.099,50.162 54.084,51.147 59.5,51.147 60.833,52.48 60.833,54.634 J1.9@59.626,55.841
PIN10: J1.10 J18.2 U1.10 | length 74.3
  Top Layer w0.2: J1.10@59.626,53.301 59.501,53.426 59.501,54.351 58.3,55.552 58.3,56.625 58.625,56.95 71.138,56.95 71.35,56.738 71.35,52.107 71.059,51.816 66.491,51.816 66.084,51.409 J18.2@66.084,46.509
  Bottom Layer w0.2: U1.10@43.95,28.571 47.147,28.571 47.996,29.42 47.996,37.721 44.35,41.367 44.35,48.217 46.168,50.035 50.134,50.035 50.611,50.512 52.954,50.512 53.939,51.497 57.822,51.497 J1.10@59.626,53.301
PIN11: J1.11 J18.4 U1.11 | length 77.9
  Top Layer w0.2: U1.11@39.95,29 40.933,29 41.182,28.75 42.669,28.75 43.169,29.25 44.854,29.25 ; 44.854,29.25 48.912,29.25 49.174,29.512 49.174,49.978 50.34,51.144 51.766,51.144 52.057,51.435 54.546,51.435 55.144,52.033 58.129,52.033 58.351,52.255 58.351,54.576 J1.11@57.086,55.841 57.086,56.9 57.486,57.3 71.439,57.3 71.7,57.039 71.7,51.963 71.203,51.466 69.75,51.466 69.567,51.283 69.567,44.75 69.327,44.509 J18.4@66.084,44.509
PIN12: J1.12 J13.5 U1.12 | length 66.3
  Top Layer w0.2: U1.12@41.95,29.5 40.974,29.5 40.724,29.75 38.721,29.75 38.144,29.173 38.144,23.471 39.064,22.55 49.866,22.55 52.056,24.74 J13.5@52.056,24.892
  Bottom Layer w0.2: U1.12@41.95,29.571 42.931,29.571 43.252,29.25 46.781,29.25 47.646,30.115 47.646,37.576 44,41.222 44,48.362 46.023,50.385 49.989,50.385 50.466,50.862 52.809,50.862 53.794,51.847 55.632,51.847 J1.12@57.086,53.301
PIN13: J1.13 J13.7 U1.13 | length 68.5
  Top Layer w0.2: v1(37.731,29.731) 37.731,23.388 38.919,22.2 50.011,22.2 50.704,22.892 J13.7@52.056,22.892
  Bottom Layer w0.2: v1(37.731,29.731) 37.75,29.75 40.746,29.75 41.246,30.25 41.539,30.25 42.725,30.25 42.975,30 46.585,30 47.296,30.711 47.296,37.431 43.65,41.077 43.65,48.507 45.878,50.735 49.802,50.735 50.279,51.212 52.664,51.212 53.649,52.197 55.372,52.197 55.753,52.578 55.753,54.634 J1.13@54.546,55.841
PIN14: C12.1 J1.14 J5.15 R14.1 SW3.2 U1.14 | length 178.2
  Top Layer w0.2: U1.14@39.95,30.5 40.85,30.5 41.094,30.256 41.094,30.25 41.539,30.25 42.543,30.25 42.725,30.25 43.225,30.75 44.1,30.75 48.175,30.75 48.824,31.399 48.824,50.123 50.195,51.494 50.743,51.494 50.75,51.501 51.628,51.501 51.943,51.816 54.229,51.816 54.546,52.133 J1.14@54.546,53.301 ; SW3.2@51.825,46.35 51.825,44.525 52.075,44.275 56.033,44.275 57.008,43.3 C12.1@58.85,43.3 R14.1@58.85,45
  Bottom Layer w0.2: J5.15@3.211,23.65 1.335,25.526 1.335,39.678 2.018,40.361 7.33,40.361 9.066,38.625 23.055,38.625 24.225,37.455 24.225,22.05 24.5,21.775 34.681,21.775 34.97,22.064 34.97,30.22 35.25,30.5 U1.14@39.879,30.5 ; SW3.2@51.825,46.35 51.825,47.831 52.056,48.062 53.996,48.062 54.981,49.047 60.397,49.047 61.797,50.447 65.55,50.447 65.931,50.828 70.126,50.828 71.275,51.977 71.275,57.225 71.055,57.445 53.495,57.445 53.275,57.225 53.275,55.469 53.563,55.181 53.563,54.284 J1.14@54.546,53.301
PIN15: J1.15 U1.15 | length 39.3
  Bottom Layer w0.2: U1.15@41.95,31.071 42.916,31.071 43.237,30.75 45.77,30.75 46.946,31.926 46.946,37.286 43.3,40.932 43.3,48.652 45.733,51.085 49.657,51.085 50.134,51.562 52.519,51.562 53.213,52.256 53.213,54.634 J1.15@52.006,55.841
PIN16: J1.16 U1.16 | length 32.6
  Bottom Layer w0.2: U1.16@43.95,31.571 46.096,31.571 46.596,32.071 46.596,37.141 42.95,40.787 42.95,48.796 45.593,51.439 47.416,51.439 47.421,51.435 49.512,51.435 49.989,51.912 51.662,51.912 52.006,52.256 J1.16@52.006,53.301
PIN17: J1.17 U1.17 | length 33.4
  Top Layer w0.2: U1.17@39.95,32 39.968,31.982 41.027,31.982 41.259,31.75 42.74,31.75 43.24,32.25 44.361,32.25 47.725,32.25 48.45,32.975 48.45,50.244 50.673,52.467 50.673,54.634 J1.17@49.466,55.841
PIN18: J1.18 U1.18 | length 31.4
  Bottom Layer w0.2: U1.18@41.95,32.571 42.873,32.571 43.194,32.25 43.539,32.25 44.361,32.25 45.052,32.25 46.246,33.444 46.246,36.996 42.6,40.642 42.6,48.941 45.506,51.847 49.288,51.847 49.466,52.025 J1.18@49.466,53.301
PIN19: J1.19 J20.3 U1.19 | length 70.5
  Bottom Layer w0.2: J20.3@12.45,43.475 13.25,43.475 13.4,43.325 13.4,39.66 13.735,39.325 23.345,39.325 25.395,37.275 40.482,37.275 40.906,36.851 40.906,33.519 41.175,33.25 42.781,33.25 43.031,33 U1.19@43.95,33 45.307,33 45.896,33.589 45.896,36.851 42.25,40.497 42.25,49.086 45.361,52.197 47.879,52.197 48.26,52.578 48.26,54.737 47.156,55.841 J1.19@46.926,55.841
PIN20: B1.2 C1.1 C2.1 C3.1 C4.1 C5.2 C6.1 C7.1 C8.2 C9.2 C10.2 C11.2 C12.2 C13.2 C14.1 C15.1 C16.2 C17.2 C18.1 D3.2 D6.2 D7.2 J1.20 J2.24 J3.1 J4.1 J5.4 J5.6 J5.8 J5.10 J5.12 J5.14 J5.16 J5.18 J5.20 J7.2 J8.4 J9.4 J11.1 J12.1 J18.1 J20.5 J20.6 J21.1 J24.1 R1.2 SW1.4 SW2.4 SW3.3 U1.20 U1.74 U2.1 U3.1 U4.1 | length 617.4
  Top Layer w0.2: J5.6@5.751,36.35 12.175,36.35 12.376,36.551 C13.2@12.376,37.539 ; v1(18.05,18.57) 21.18,18.57 21.378,18.372 C14.1@21.378,12.609 ; J24.1@39.291,47.4 39.291,50.197 38.144,51.344 38.144,54.437 J3.1@36.74,55.841 36.75,55.851 36.75,56.975 36.925,57.15 45.475,57.15 45.7,56.925 45.7,55.291 46.677,54.314 46.677,53.55 J1.20@46.926,53.301 48.1,52.127 48.1,34 47.85,33.75 43.24,33.75 42.74,33.25 41.539,33.25 41.182,33.25 40.932,33.5 U1.20@39.95,33.5 U1.20@39.85,33.5 ; J21.1@47.725,17.024 50.075,17.024 ; C11.2@50.075,18.799 50.075,17.024 ; SW3.3@56.325,39.85 56.325,38.412 56.113,38.2 50.574,38.2 ; C12.2@58.85,41.3 D3.2@61.026,41.301 ; D7.2@60.435,14.3 D6.2@58.435,14.3 56.852,14.3 55.902,13.35 50.224,13.35 50.075,13.499 C10.2@50.075,14.85 50.075,17.024 ; J18.1@64.084,46.509 64.084,50.724 63.725,51.083 59.3,51.083 58.85,50.633 56.033,50.633 55.378,49.978 52.856,49.978 52.622,49.744 50.92,49.744 50.575,49.399 50.575,38.201 50.574,38.2 ; C7.1@72.84,17.536 73.891,17.536 74.512,16.915 76.306,16.915 76.741,17.35 76.741,20.301 77.042,20.602 77.625,20.602 ; C1.1@74.529,52.936 C4.1@74.529,58.636 ; C2.1@74.533,54.585 C4.1@74.533,58.64 ; C2.1@74.583,54.635 v1(76.948,54.635) ; U2.1@76.948,51.77 76.948,48.593 77.241,48.3 81.6,48.3 81.95,47.95 C15.1@81.95,46.425 ; 77.625,40.362 77.625,34.656 77.425,34.456 77.425,28.85 77.625,28.65 C18.1@78.55,28.65 78.55,27.612 78.025,27.087 78.025,24.892 77.625,24.492 77.625,20.602 ; 78.65,40.362 78.75,40.462 C16.2@78.75,43.875 ; v1(80.728,54.635) 80.728,55.841 80.9,56.013 86.89,56.013 87.062,56.185 87.062,58.906 86.945,59.023 R1.2@85.852,59.023 ; C6.1@81.788,17.52 81.94,17.52 82.8,17.52 ; U3.1@82.04,15.4 82.59,15.4 82.8,15.61 82.8,17.52 ; 50.075,17.024 55.645,17.024 56.425,17.804 56.425,23.488 56.113,23.8 53.259,23.8 52.95,24.109 52.95,29.608 52.657,29.902 50.724,29.902 50.574,30.051 50.574,32.781 50.743,32.95 C9.2@52,32.95 52,35.2 51.95,35.25 50.799,35.25 50.574,35.475 50.574,38.2 ; 77.625,20.602 82.434,20.602 82.8,20.237 82.8,17.52
  Top Layer w0.4: C1.1@74.525,52.5 74.525,52.932 C1.1@74.529,52.936 ; C6.1@81.94,17.52 C6.1@82.04,17.42 ; U3.1@82.04,15.4 U3.1@82.042,15.402
  Top Layer w0.5: J12.1@2,49.071 2,45.901 2.351,45.55 7.7,45.55 ; J5.20@5.751,18.57 J5.18@5.751,21.11 J5.16@5.751,23.65 J5.14@5.751,26.19 J5.12@5.751,28.73 J5.10@5.751,31.27 J5.8@5.751,33.81 J5.6@5.751,36.35 J5.4@5.751,38.89 7.7,40.84 7.7,45.55 ; J20.6@10.376,45.55 7.7,45.55 ; J20.6@10.45,45.475 J20.5@12.45,45.475 ; SW3.3@56.325,39.85 56.375,39.8 58.85,39.8 ; C12.2@58.85,41.3 58.85,39.8 ; C4.1@74.529,58.636 C4.1@74.533,58.64 ; C2.1@74.533,54.585 C2.1@74.583,54.635 ; U2.1@76.948,51.77 v1(76.948,54.635) ; U4.1@81.46,38.82 81.46,40.015 81.113,40.362 78.65,40.362 77.625,40.362 71.437,40.362 69.631,38.556 59.229,38.556 58.85,38.935 58.85,39.8 ; SW2.4@83.566,1.596 83.566,4.167 84.099,4.7 93.562,4.7 ; SW1.4@93.562,1.596 93.562,4.7 ; C17.2@98.597,7.993 C5.2@98.597,6.1 98.597,4.95 98.347,4.7 93.562,4.7
  Bottom Layer w0.2: v1(18.05,18.57) U1.74@18.05,24.5 17.135,24.5 16.885,24.75 13.443,24.75 13.273,24.58 13.273,12.202 14.011,11.464 21.924,11.464 24.018,9.37 29.352,9.37 30.882,7.84 33.13,7.84 J2.24@34.2,6.77 ; 35.375,2.925 35.45,2.85
  Bottom Layer w0.5: J11.1@2,7 4.953,7 ; J12.1@2,49.071 4.427,49.071 4.953,49.597 4.953,57.253 6.075,58.375 36.74,58.375 ; J5.20@5.751,18.57 5.751,12.609 4.953,11.812 4.953,7 ; J2.24@34.2,6.77 35.375,5.595 35.375,2.925 ; J3.1@36.74,55.841 36.74,58.375 ; J4.1@39.306,4.23 39.306,3.131 39.025,2.85 35.45,2.85 5.35,2.85 4.953,3.247 4.953,7 ; U4.1@81.46,38.82 86.953,38.82 87.062,38.711 ; SW2.4@83.566,1.596 83.766,1.596 85.175,3.005 85.175,10.471 85.468,10.764 88.175,10.764 88.639,11.228 88.639,16.202 88.216,16.625 J9.4@87.062,16.625 87.062,27.662 88.6,29.2 88.6,33.094 88.217,33.477 J8.4@87.062,33.477 87.062,38.711 ; SW1.4@93.362,1.596 SW1.4@93.562,1.596 ; 36.74,58.375 76.25,58.375 76.948,57.677 v1(76.948,54.635) v1(80.728,54.635) 90.54,54.635 91.6,53.575 J7.2@91.6,46.425 91.6,41.375 90.9,40.675 87.75,40.675 87.062,39.987 87.062,38.711